# Altium PCB GateDriver_board_pcb.PcbDoc (part 1 of 3)
Units mm, origin at the board's own origin, x right, y up, seen from the top; angles counter-clockwise.
Board outline 138.05 x 67.4 mm, 2 copper layers (Top Layer, Bottom Layer), stack 1.671 mm thick; 340 components, 140 nets, 740 pads, 323 vias.
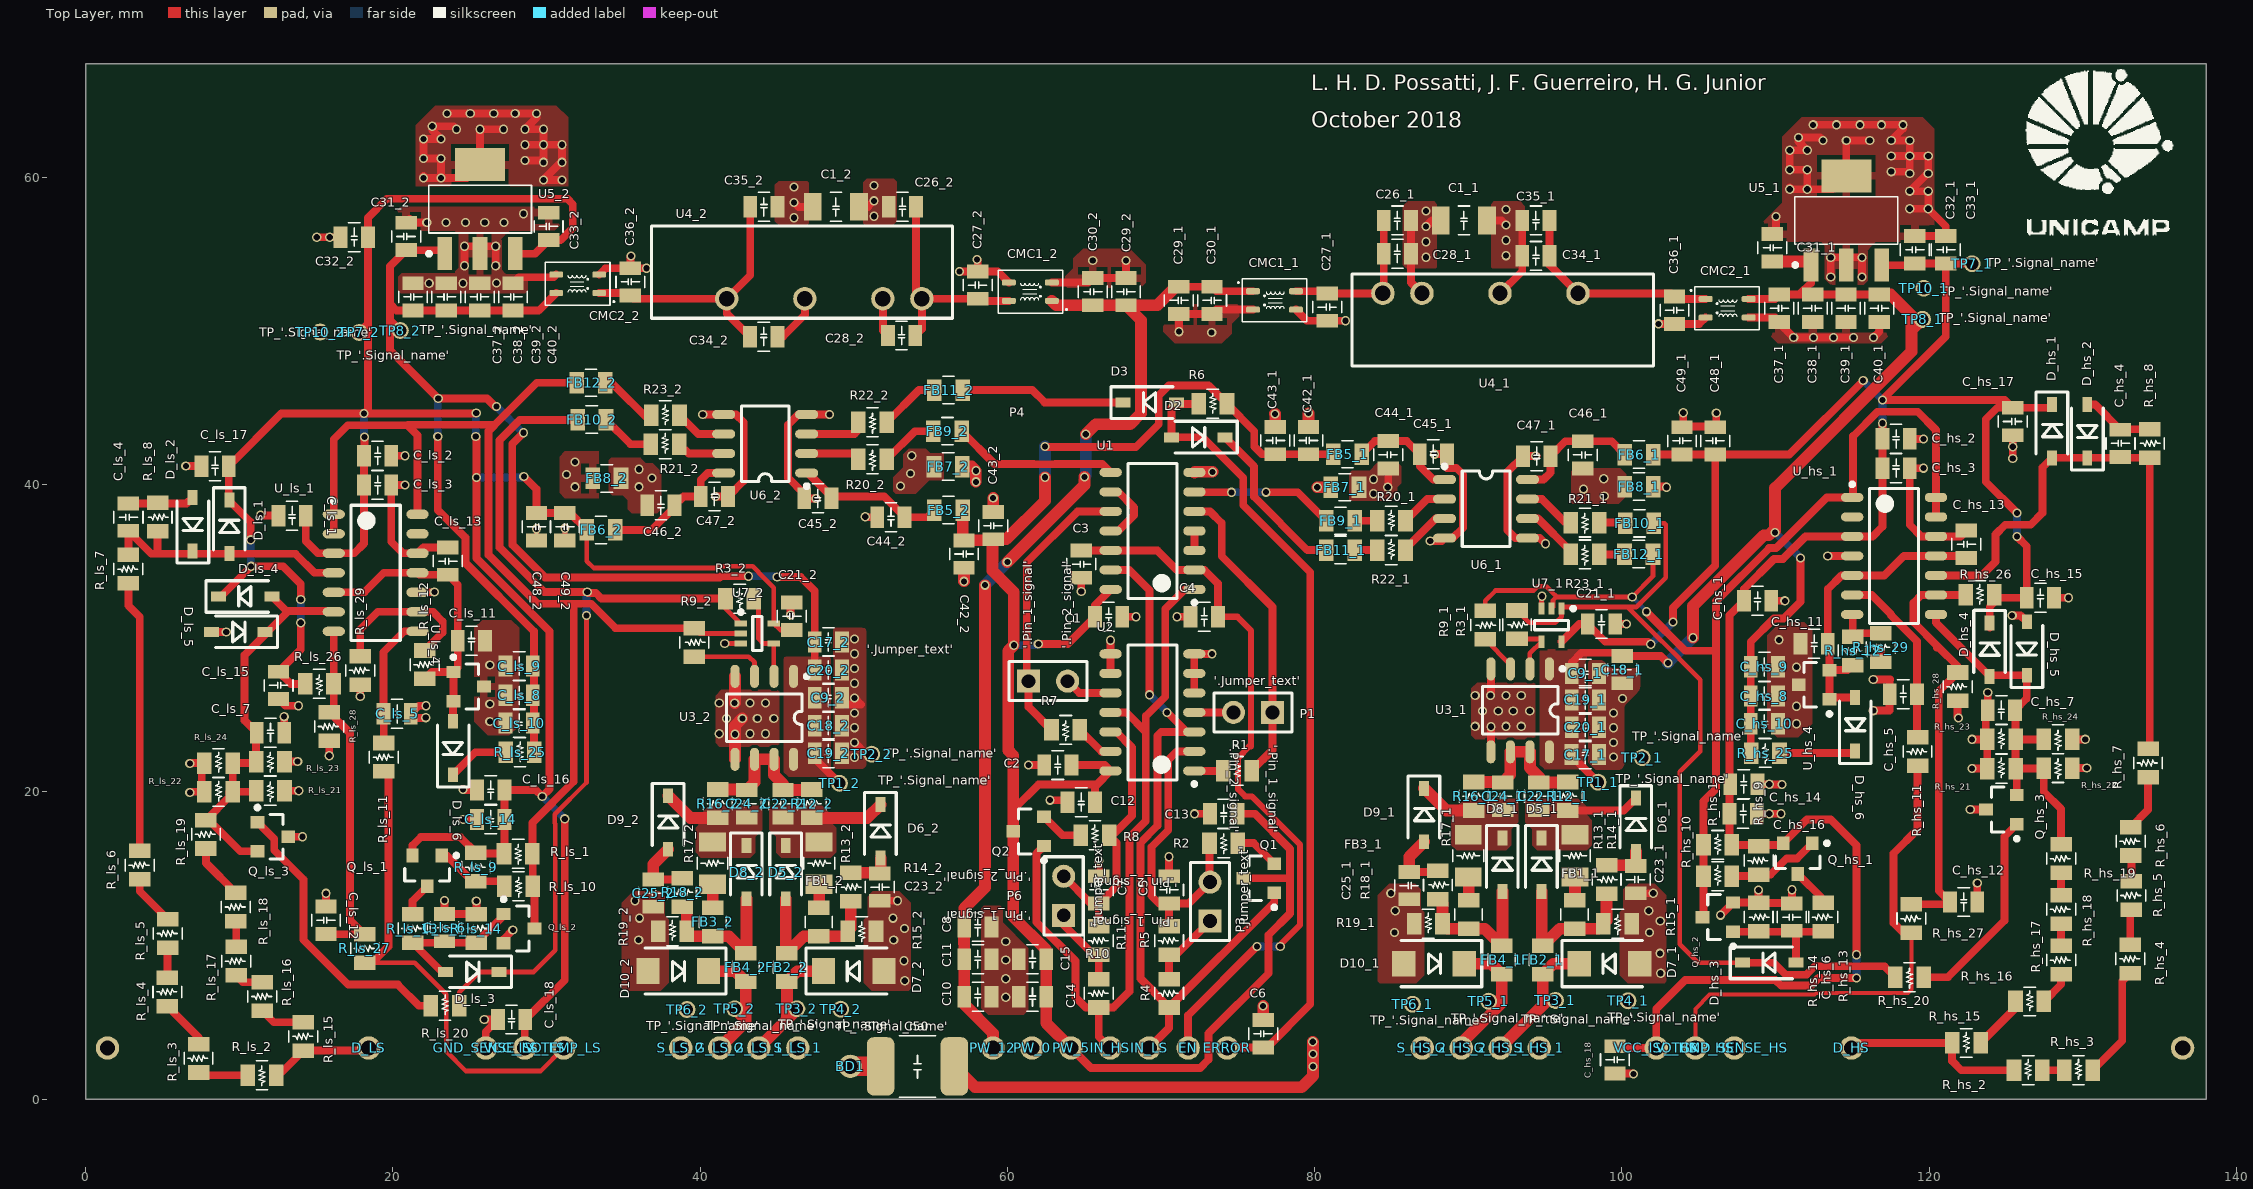
[diagram p0: Top Layer view]
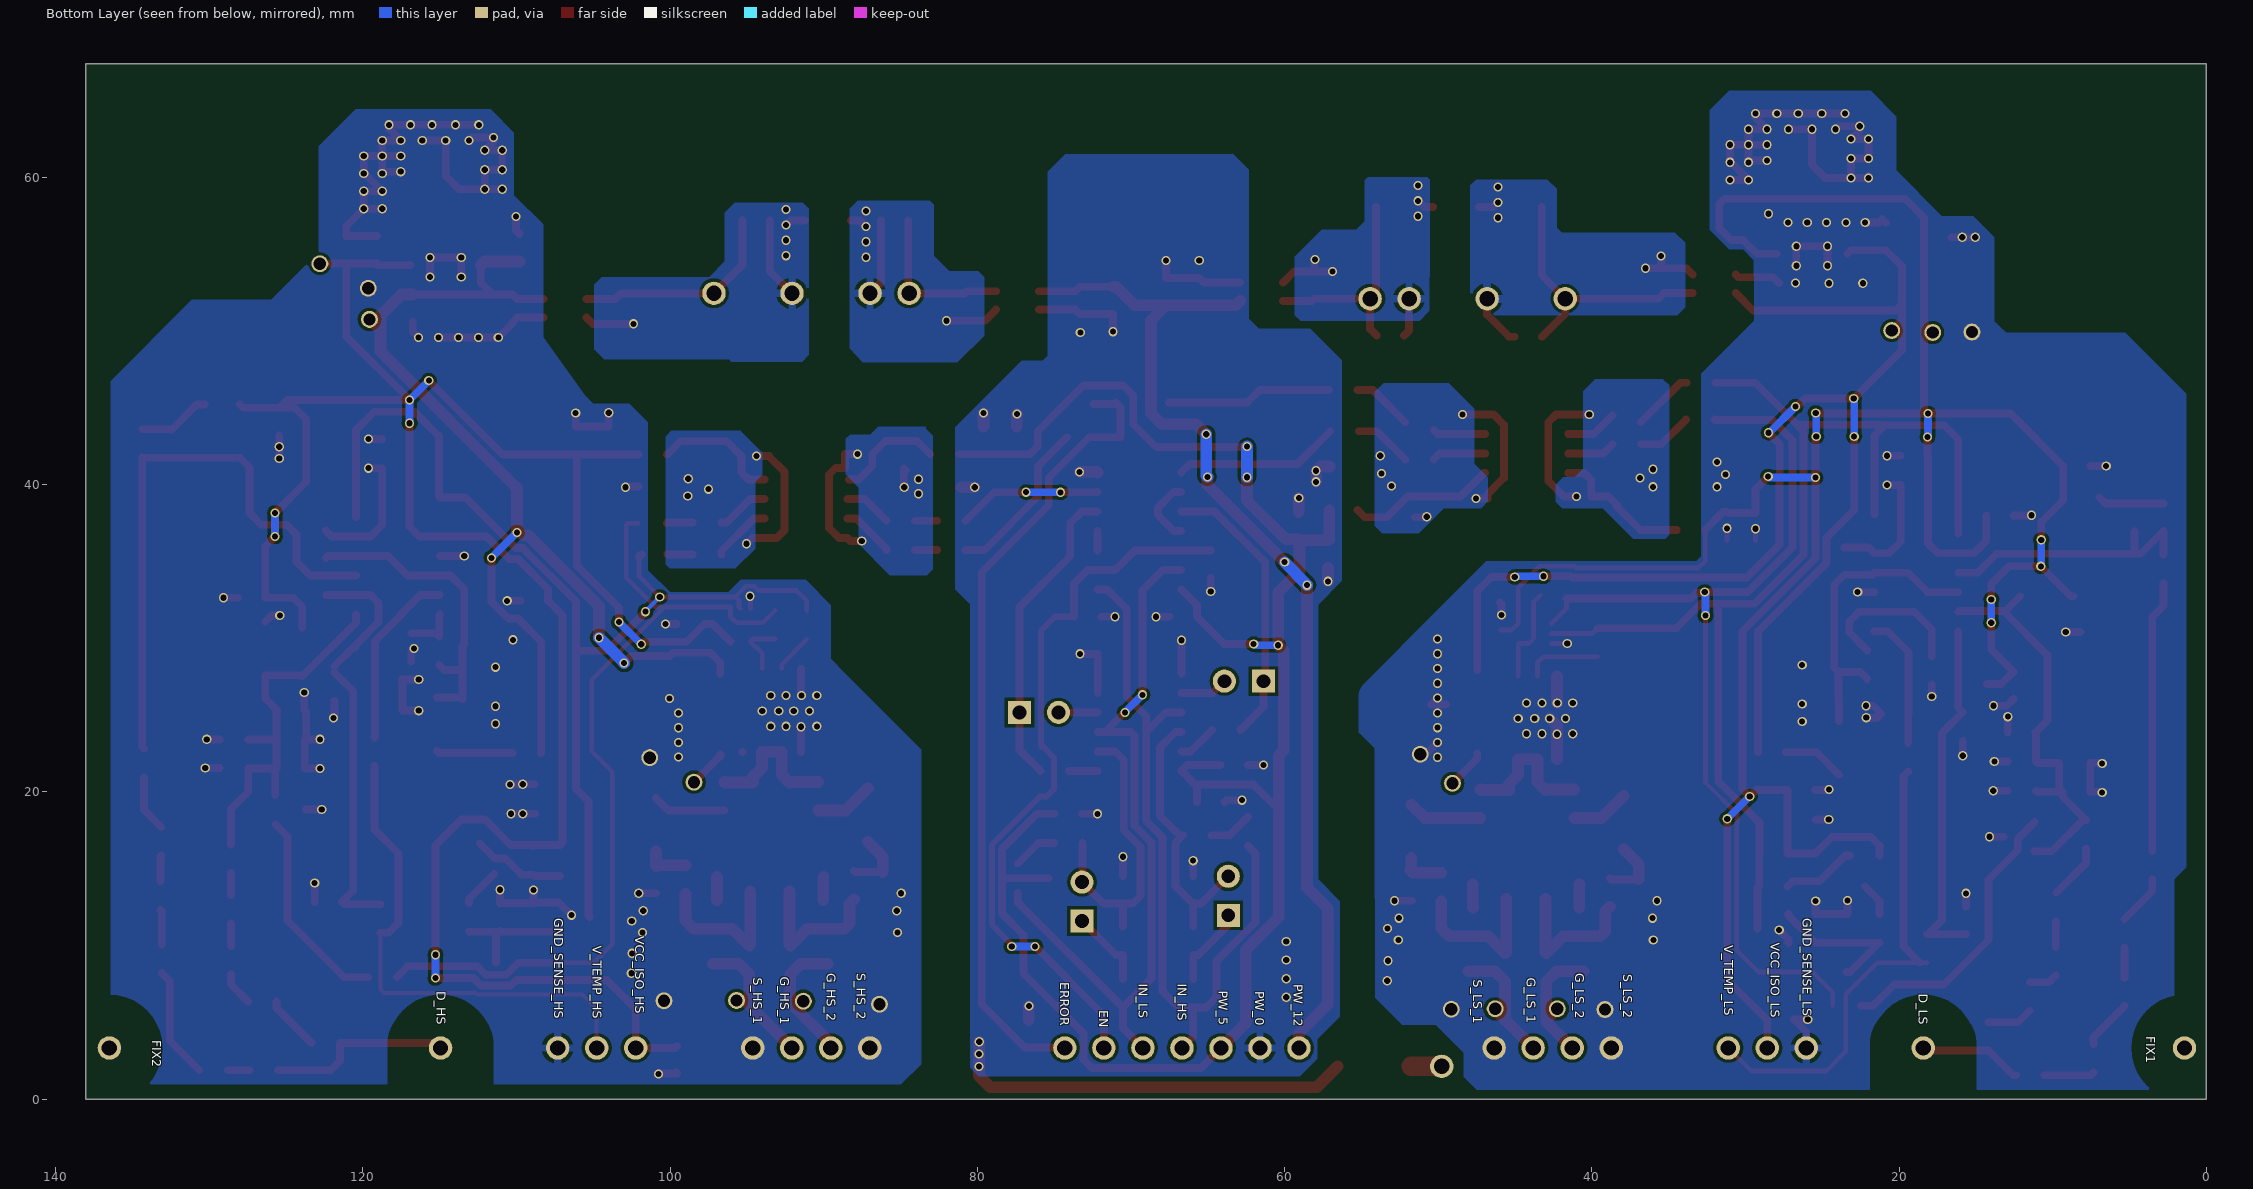
[diagram p1: Bottom Layer view, seen from below]
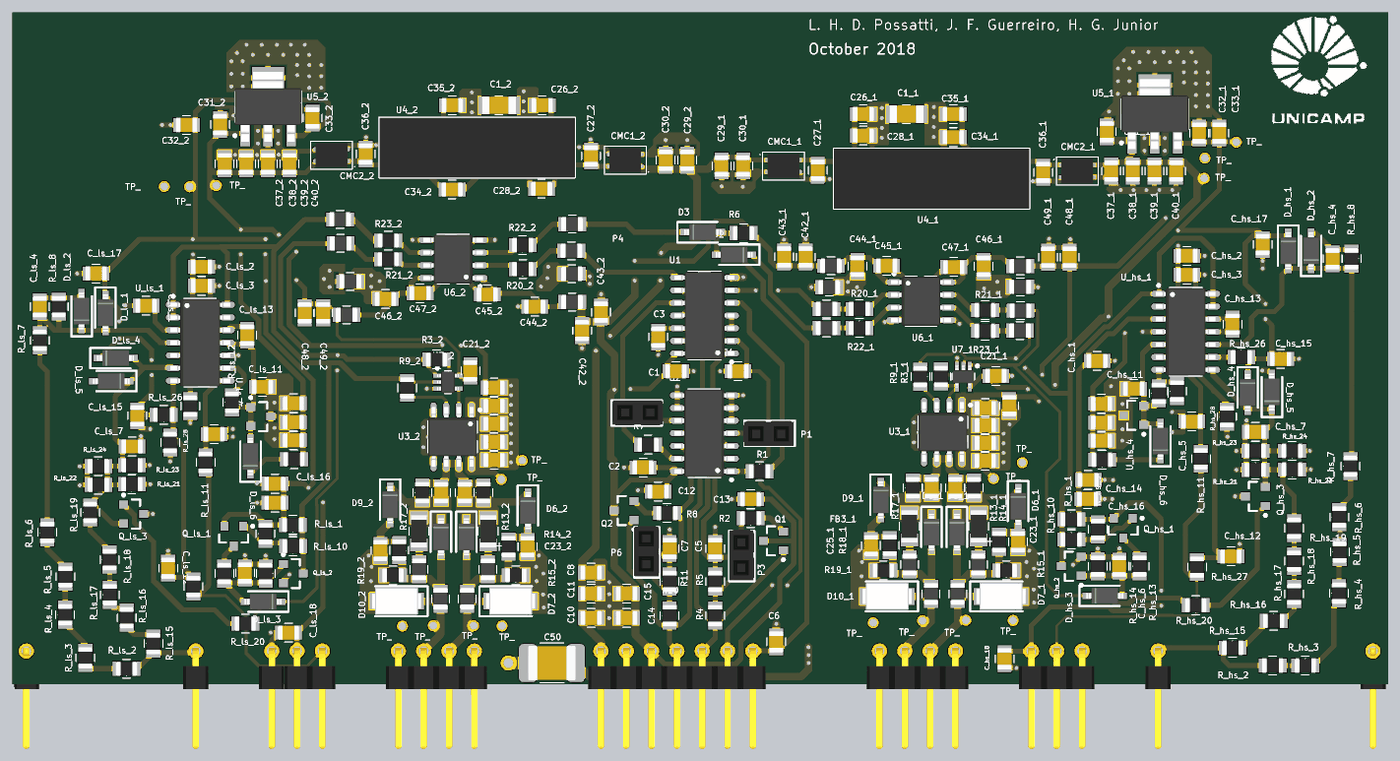
[diagram p4: 3D render of the assembled board from above, using the file's embedded part models]

## Layer stack, top to bottom
Top Solder: solder mask 0.0102, Solder Resist, Dk 3.5
Top Layer: signal copper 0.0356
Dielectric 1: dielectric 1.6, FR-4, Dk 4.8
Bottom Layer: signal copper 0.0356
Bottom Solder: solder mask 0.0102, Solder Resist, Dk 3.5

## Board outline
0,0 0,67.4 138.05,67.4 138.05,0

## Design rules (kind name [scope] priority, off if disabled: settings)
Clearance HV_hs_drain [InNet('Drain_hs') vs NOT ((Net = 'Drain_hs_2.1') OR (Net = 'Drain_hs_1.1'))] p1: gap=2.7 ignorepadtopadclearanceinfootprint=TRUE except(0.254: Arc-Text Track-Text SMDPad-Text THPad-Text Via-Text Fill-Text Poly-Text Region-Text Text-Text Text-Hole; 2.3: Arc-Arc Arc-Track Arc-Fill Arc-Poly Arc-Region Track-Track Track-Fill Track-Poly Track-Region Fill-Fill Fill-Poly Fill-Region Poly-Poly Poly-Region Region-Region; 3: SMDPad-SMDPad SMDPad-THPad SMDPad-Via SMDPad-Hole THPad-THPad THPad-Via THPad-Hole Via-Via Via-Hole)
Clearance HV_ls_drain [InNet('Drain_ls') vs NOT ((Net = 'Drain_ls_2.1') OR (Net = 'Drain_ls_1.1'))] p2: gap=2.7 ignorepadtopadclearanceinfootprint=TRUE except(0.254: Arc-Text Track-Text SMDPad-Text THPad-Text Via-Text Fill-Text Poly-Text Region-Text Text-Text Text-Hole; 2.3: Arc-Arc Arc-Track Arc-Fill Arc-Poly Arc-Region Track-Track Track-Fill Track-Poly Track-Region Fill-Fill Fill-Poly Fill-Region Poly-Poly Poly-Region Region-Region; 3: SMDPad-SMDPad SMDPad-THPad SMDPad-Via SMDPad-Hole THPad-THPad THPad-Via THPad-Hole Via-Via Via-Hole)
Clearance HV_1_hs_drain_1 [InNet('Drain_hs_1.1') vs NOT ((Net = 'Drain_hs_1.2') OR (Net = 'Drain_hs'))] p3: gap=2.7 ignorepadtopadclearanceinfootprint=TRUE except(0.254: Arc-Text Track-Text SMDPad-Text THPad-Text Via-Text Fill-Text Poly-Text Region-Text Text-Text Text-Hole; 2.3: Arc-Arc Arc-Track Arc-Fill Arc-Poly Arc-Region Track-Track Track-Fill Track-Poly Track-Region Fill-Fill Fill-Poly Fill-Region Poly-Poly Poly-Region Region-Region; 3: SMDPad-SMDPad SMDPad-THPad SMDPad-Via SMDPad-Hole THPad-THPad THPad-Via THPad-Hole Via-Via Via-Hole)
Clearance HV_1_ls_drain_1 [InNet('Drain_ls_1.1') vs NOT ((Net = 'Drain_ls_1.2') OR (Net = 'Drain_ls'))] p4: gap=2.7 ignorepadtopadclearanceinfootprint=TRUE except(0.254: Arc-Text Track-Text SMDPad-Text THPad-Text Via-Text Fill-Text Poly-Text Region-Text Text-Text Text-Hole; 2.3: Arc-Arc Arc-Track Arc-Fill Arc-Poly Arc-Region Track-Track Track-Fill Track-Poly Track-Region Fill-Fill Fill-Poly Fill-Region Poly-Poly Poly-Region Region-Region; 3: SMDPad-SMDPad SMDPad-THPad SMDPad-Via SMDPad-Hole THPad-THPad THPad-Via THPad-Hole Via-Via Via-Hole)
Clearance HV_1_hs_drain_2 [InNet('Drain_hs_1.2') vs NOT ((Net = 'Drain_hs_1.3') OR (Net = 'Drain_hs_1.1'))] p5: gap=2.7 ignorepadtopadclearanceinfootprint=TRUE except(0.254: Arc-Text Track-Text SMDPad-Text THPad-Text Via-Text Fill-Text Poly-Text Region-Text Text-Text Text-Hole; 2.3: Arc-Arc Arc-Track Arc-Fill Arc-Poly Arc-Region Track-Track Track-Fill Track-Poly Track-Region Fill-Fill Fill-Poly Fill-Region Poly-Poly Poly-Region Region-Region; 3: SMDPad-SMDPad SMDPad-THPad SMDPad-Via SMDPad-Hole THPad-THPad THPad-Via THPad-Hole Via-Via Via-Hole)
Clearance HV_1_ls_drain_2 [InNet('Drain_ls_1.2') vs NOT ((Net = 'Drain_ls_1.3') OR (Net = 'Drain_ls_1.1'))] p6: gap=2.7 ignorepadtopadclearanceinfootprint=TRUE except(0.254: Arc-Text Track-Text SMDPad-Text THPad-Text Via-Text Fill-Text Poly-Text Region-Text Text-Text Text-Hole; 2.3: Arc-Arc Arc-Track Arc-Fill Arc-Poly Arc-Region Track-Track Track-Fill Track-Poly Track-Region Fill-Fill Fill-Poly Fill-Region Poly-Poly Poly-Region Region-Region; 3: SMDPad-SMDPad SMDPad-THPad SMDPad-Via SMDPad-Hole THPad-THPad THPad-Via THPad-Hole Via-Via Via-Hole)
Clearance HV_1_hs_drain_3 [InNet('Drain_hs_1.3') vs NOT ((Net = 'Drain_hs_1.4') OR (Net = 'Drain_hs_1.2'))] p7: gap=2.7 ignorepadtopadclearanceinfootprint=TRUE except(0.254: Arc-Text Track-Text SMDPad-Text THPad-Text Via-Text Fill-Text Poly-Text Region-Text Text-Text Text-Hole; 2.3: Arc-Arc Arc-Track Arc-Fill Arc-Poly Arc-Region Track-Track Track-Fill Track-Poly Track-Region Fill-Fill Fill-Poly Fill-Region Poly-Poly Poly-Region Region-Region; 3: SMDPad-SMDPad SMDPad-THPad SMDPad-Via SMDPad-Hole THPad-THPad THPad-Via THPad-Hole Via-Via Via-Hole)
Clearance HV_1_ls_drain_3 [InNet('Drain_ls_1.3') vs NOT ((Net = 'Drain_ls_1.4') OR (Net = 'Drain_ls_1.2'))] p8: gap=2.7 ignorepadtopadclearanceinfootprint=TRUE except(0.254: Arc-Text Track-Text SMDPad-Text THPad-Text Via-Text Fill-Text Poly-Text Region-Text Text-Text Text-Hole; 2.3: Arc-Arc Arc-Track Arc-Fill Arc-Poly Arc-Region Track-Track Track-Fill Track-Poly Track-Region Fill-Fill Fill-Poly Fill-Region Poly-Poly Poly-Region Region-Region; 3: SMDPad-SMDPad SMDPad-THPad SMDPad-Via SMDPad-Hole THPad-THPad THPad-Via THPad-Hole Via-Via Via-Hole)
Clearance HV_1_hs_drain_4 [InNet('Drain_hs_1.4') vs NOT ((Net = 'Drain_hs_1.5') OR (Net = 'Drain_hs_1.3'))] p9: gap=2.7 ignorepadtopadclearanceinfootprint=TRUE except(0.254: Arc-Text Track-Text SMDPad-Text THPad-Text Via-Text Fill-Text Poly-Text Region-Text Text-Text Text-Hole; 2.3: Arc-Arc Arc-Track Arc-Fill Arc-Poly Arc-Region Track-Track Track-Fill Track-Poly Track-Region Fill-Fill Fill-Poly Fill-Region Poly-Poly Poly-Region Region-Region; 3: SMDPad-SMDPad SMDPad-THPad SMDPad-Via SMDPad-Hole THPad-THPad THPad-Via THPad-Hole Via-Via Via-Hole)
Clearance HV_1_ls_drain_4 [InNet('Drain_ls_1.4') vs NOT ((Net = 'Drain_ls_1.5') OR (Net = 'Drain_ls_1.3'))] p10: gap=2.7 ignorepadtopadclearanceinfootprint=TRUE except(0.254: Arc-Text Track-Text SMDPad-Text THPad-Text Via-Text Fill-Text Poly-Text Region-Text Text-Text Text-Hole; 2.3: Arc-Arc Arc-Track Arc-Fill Arc-Poly Arc-Region Track-Track Track-Fill Track-Poly Track-Region Fill-Fill Fill-Poly Fill-Region Poly-Poly Poly-Region Region-Region; 3: SMDPad-SMDPad SMDPad-THPad SMDPad-Via SMDPad-Hole THPad-THPad THPad-Via THPad-Hole Via-Via Via-Hole)
Clearance HV_2_hs_drain_1 [InNet('Drain_hs_2.1') vs NOT ((Net = 'Drain_hs_2.2') OR (Net = 'Drain_hs'))] p11: gap=2.7 ignorepadtopadclearanceinfootprint=TRUE except(0.254: Arc-Text Track-Text SMDPad-Text THPad-Text Via-Text Fill-Text Poly-Text Region-Text Text-Text Text-Hole; 2.3: Arc-Arc Arc-Track Arc-Fill Arc-Poly Arc-Region Track-Track Track-Fill Track-Poly Track-Region Fill-Fill Fill-Poly Fill-Region Poly-Poly Poly-Region Region-Region; 3: SMDPad-SMDPad SMDPad-THPad SMDPad-Via SMDPad-Hole THPad-THPad THPad-Via THPad-Hole Via-Via Via-Hole)
Clearance HV_2_ls_drain_1 [InNet('Drain_ls_2.1') vs NOT ((Net = 'Drain_ls_2.2') OR (Net = 'Drain_ls'))] p12: gap=2.7 ignorepadtopadclearanceinfootprint=TRUE except(0.254: Arc-Text Track-Text SMDPad-Text THPad-Text Via-Text Fill-Text Poly-Text Region-Text Text-Text Text-Hole; 2.3: Arc-Arc Arc-Track Arc-Fill Arc-Poly Arc-Region Track-Track Track-Fill Track-Poly Track-Region Fill-Fill Fill-Poly Fill-Region Poly-Poly Poly-Region Region-Region; 3: SMDPad-SMDPad SMDPad-THPad SMDPad-Via SMDPad-Hole THPad-THPad THPad-Via THPad-Hole Via-Via Via-Hole)
Clearance HV_2_hs_drain_2 [InNet('Drain_hs_2.2') vs NOT ((Net = 'Drain_hs_2.3') OR (Net = 'Drain_hs_2.1'))] p13: gap=2.7 ignorepadtopadclearanceinfootprint=TRUE except(0.254: Arc-Text Track-Text SMDPad-Text THPad-Text Via-Text Fill-Text Poly-Text Region-Text Text-Text Text-Hole; 2.3: Arc-Arc Arc-Track Arc-Fill Arc-Poly Arc-Region Track-Track Track-Fill Track-Poly Track-Region Fill-Fill Fill-Poly Fill-Region Poly-Poly Poly-Region Region-Region; 3: SMDPad-SMDPad SMDPad-THPad SMDPad-Via SMDPad-Hole THPad-THPad THPad-Via THPad-Hole Via-Via Via-Hole)
Clearance HV_2_ls_drain_2 [InNet('Drain_ls_2.2') vs NOT ((Net = 'Drain_ls_2.3') OR (Net = 'Drain_ls_2.1'))] p14: gap=2.7 ignorepadtopadclearanceinfootprint=TRUE except(0.254: Arc-Text Track-Text SMDPad-Text THPad-Text Via-Text Fill-Text Poly-Text Region-Text Text-Text Text-Hole; 2.3: Arc-Arc Arc-Track Arc-Fill Arc-Poly Arc-Region Track-Track Track-Fill Track-Poly Track-Region Fill-Fill Fill-Poly Fill-Region Poly-Poly Poly-Region Region-Region; 3: SMDPad-SMDPad SMDPad-THPad SMDPad-Via SMDPad-Hole THPad-THPad THPad-Via THPad-Hole Via-Via Via-Hole)
Clearance HV_2_hs_drain_3 [InNet('Drain_hs_2.3') vs NOT ((Net = 'Drain_hs_2.4') OR (Net = 'Drain_hs_2.2'))] p15: gap=2.7 ignorepadtopadclearanceinfootprint=TRUE except(0.254: Arc-Text Track-Text SMDPad-Text THPad-Text Via-Text Fill-Text Poly-Text Region-Text Text-Text Text-Hole; 2.3: Arc-Arc Arc-Track Arc-Fill Arc-Poly Arc-Region Track-Track Track-Fill Track-Poly Track-Region Fill-Fill Fill-Poly Fill-Region Poly-Poly Poly-Region Region-Region; 3: SMDPad-SMDPad SMDPad-THPad SMDPad-Via SMDPad-Hole THPad-THPad THPad-Via THPad-Hole Via-Via Via-Hole)
Clearance HV_2_ls_drain_3 [InNet('Drain_ls_2.3') vs NOT ((Net = 'Drain_ls_2.4') OR (Net = 'Drain_ls_2.2'))] p16: gap=2.7 ignorepadtopadclearanceinfootprint=TRUE except(0.254: Arc-Text Track-Text SMDPad-Text THPad-Text Via-Text Fill-Text Poly-Text Region-Text Text-Text Text-Hole; 2.3: Arc-Arc Arc-Track Arc-Fill Arc-Poly Arc-Region Track-Track Track-Fill Track-Poly Track-Region Fill-Fill Fill-Poly Fill-Region Poly-Poly Poly-Region Region-Region; 3: SMDPad-SMDPad SMDPad-THPad SMDPad-Via SMDPad-Hole THPad-THPad THPad-Via THPad-Hole Via-Via Via-Hole)
Clearance Isolated_domains [InNetClass('Isolated_domain') vs InNetClass('Non_isolated_domain')] p17: gap=2.7 ignorepadtopadclearanceinfootprint=FALSE except(0.254: Arc-Text Track-Text SMDPad-Text THPad-Text Via-Text Fill-Text Poly-Text Region-Text Text-Text Text-Hole; 2.3: Arc-Arc Arc-Track Arc-Fill Arc-Poly Arc-Region Track-Track Track-Fill Track-Poly Track-Region Fill-Fill Fill-Poly Fill-Region Poly-Poly Poly-Region Region-Region; 3: SMDPad-SMDPad SMDPad-THPad SMDPad-Via SMDPad-Hole THPad-THPad THPad-Via THPad-Hole Via-Via Via-Hole)
Clearance FIXING_PINS [(ObjectKind = 'Pad') And ((Component = 'FIX1') OR (Component = 'FIX2'))] p18: gap=2.7 ignorepadtopadclearanceinfootprint=FALSE except(0.254: Arc-Text Track-Text SMDPad-Text THPad-Text Via-Text Fill-Text Poly-Text Region-Text Text-Text Text-Hole; 2.3: Arc-Arc Arc-Track Arc-Fill Arc-Poly Arc-Region Track-Track Track-Fill Track-Poly Track-Region Fill-Fill Fill-Poly Fill-Region Poly-Poly Poly-Region Region-Region; 3: SMDPad-SMDPad SMDPad-THPad SMDPad-Via SMDPad-Hole THPad-THPad THPad-Via THPad-Hole Via-Via Via-Hole)
Clearance [All] p19: gap=0.203 ignorepadtopadclearanceinfootprint=FALSE except(0: Arc-Hole Track-Hole SMDPad-Hole THPad-Hole Via-Hole Fill-Hole Poly-Hole Region-Hole Text-Hole)
ComponentClearance IOS_interface [HasFootprint('SINGLE PAD - RIGHT ANGLE') vs HasFootprint('SINGLE PAD - RIGHT ANGLE')] p1: gap=0 collisioncheckmode=3 verticalgap=0 showdistances=FALSE
ComponentClearance [All] p2: gap=0.254 collisioncheckmode=3 verticalgap=0.254 showdistances=FALSE
MinimumSolderMaskSliver [All] p1: minsoldermaskwidth=0.203
PolygonConnect Direct_connect [InComponentClass('Direct_plane_connect') vs InPolygonClass('Direct_planne_connect')] p1: connectstyle=Direct reliefconductorwidth=0.254 reliefentries=4 polygonreliefangle="90 Angle" airgapwidth=0.254
PolygonConnect [All] p2: thpad.connectstyle=Relief thpad.reliefconductorwidth=0.508 thpad.reliefentries=4 thpad.polygonreliefangle="90 Angle" thpad.airgapwidth=0.254 smdpad.connectstyle=Relief smdpad.reliefconductorwidth=0.508 smdpad.reliefentries=4 smdpad.polygonreliefangle="90 Angle" smdpad.airgapwidth=0.254 via.connectstyle=Direct via.reliefconductorwidth=0.254 via.reliefentries=4 via.polygonreliefangle="90 Angle" via.airgapwidth=0.254
RoutingVias [All] p1: holewidth=0.4 width=0.6 viastyle="Through Hole" minholewidth=0.3 minwidth=0.4 maxholewidth=1 maxwidth=3
SolderMaskExpansion [All] p1: expansion=0.102
UnRoutedNet [All] p1: checkbadconnections=TRUE
Width [All] p1: maxlimit=1.27 minlimit=0.254 preferedwidth=0.508 minimp=50.000000 maximp=50.000000 favimp=50.000000
27 further rules are at their usual default settings.

## Classes and differential pairs
net class Interface_connectors: 5V_1 5V_2 +5V +12V Drain_hs Drain_ls enable ERR G1_1 G1_2 G2_1 G2_2 GND GND_iso_hs GND_iso_ls HS_input LS_input V_temp_hs V_temp_ls
channel class Protection_comparator: comparator_hs comparator_ls
channel class Protection_voltage_ref: voltage_ref_circuitry_hs voltage_ref_circuitry_ls
channel class Protection_memory_latch: memory_latch_hs memory_latch_ls
channel class Protection_overtemperature: overtemperature_circuitry_hs overtemperature_circuitry_ls
channel class Protection_overcurrent: overcurrent_circuitry_hs overcurrent_circuitry_ls
channel class Protection_overvoltage: overvoltage_circuitry_hs overvoltage_circuitry_ls
pad class drain_chain_pads: R_hs_2-1 R_hs_2-2 R_hs_3-1 R_hs_3-2 R_hs_4-1 R_hs_4-2 R_hs_5-1 R_hs_5-2 R_hs_6-1 R_hs_6-2 R_hs_7-1 R_hs_7-2 R_hs_15-1 R_hs_15-2 R_hs_16-1 R_hs_16-2 R_hs_17-1 R_hs_17-2 R_hs_18-1
component class overvoltage_circuitry_hs: C_hs_4 C_hs_17 D_hs_1 D_hs_2 R_hs_2 R_hs_3 R_hs_4 R_hs_5 R_hs_6 R_hs_7 R_hs_8
component class overtemperature_circuitry_hs: C_hs_5 R_hs_11
component class overcurrent_circuitry_hs: C_hs_7 C_hs_12 C_hs_15 D_hs_4 D_hs_5 Q_hs_3 R_hs_15 R_hs_16 R_hs_17 R_hs_18 R_hs_19 R_hs_20 R_hs_21 R_hs_22 R_hs_23 R_hs_24 R_hs_26 R_hs_27 R_hs_28
component class memory_latch_hs: C_hs_6 C_hs_14 C_hs_16 D_hs_3 Q_hs_1 Q_hs_2 R_hs_1 R_hs_9 R_hs_10 R_hs_13 R_hs_14
polygon class Direct_planne_connect: Gate_circuit_multicomponent_node Gate_circuit_multicomponent_node2 Gate_circuit_source_tie GND_gate_driver_IC_top_plane2 GND_interface_connection_plane GND_iso_hs_main_plane GND_iso_ls_main_plane GND_iso_signal_isolator_top_direct_connect GND_signal_isolator_top_direct_connect GND_Vref_comparator ISO_power_GND_plane_LDO_LS_top_direct_connect Power_supply_interdomain_cap_1_1 Power_supply_interdomain_cap_1_2 Power_supply_interdomain_cap_2_1 Power_supply_interdomain_cap_2_2 VCC_gate_driver_IC_top_plane
net class Non_isolated_domain: +12V GND NetC1_1_1 NetC1_2_1 NetC26_1_1 NetC26_2_1
net class Isolated_domain: 5V_1 5V_2 12V_iso 12V_iso_1 GND_iso_hs GND_iso_ls NetC1_1_2 NetC1_2_2 NetC34_1_1 NetC34_2_1
channel class Signal_isolator: ISO_HS ISO_LS
channel class Isolated_power_supply: HS_power_supply LS_power_supply
channel class Gate_driver_circuit: GateDriver_HS GateDriver_LS
component class voltage_ref_circuitry_ls: C_ls_8 C_ls_9 C_ls_10 C_ls_11 D_ls_6 R_ls_25 U_ls_4
component class voltage_ref_circuitry_hs: C_hs_8 C_hs_9 C_hs_10 C_hs_11 D_hs_6 R_hs_25 U_hs_4
component class overvoltage_circuitry_ls: C_ls_4 C_ls_17 D_ls_1 D_ls_2 R_ls_2 R_ls_3 R_ls_4 R_ls_5 R_ls_6 R_ls_7 R_ls_8
component class overtemperature_circuitry_ls: C_ls_5 R_ls_11
component class overcurrent_circuitry_ls: C_ls_7 C_ls_12 C_ls_15 D_ls_4 D_ls_5 Q_ls_3 R_ls_15 R_ls_16 R_ls_17 R_ls_18 R_ls_19 R_ls_20 R_ls_21 R_ls_22 R_ls_23 R_ls_24 R_ls_26 R_ls_27 R_ls_28
component class memory_latch_ls: C_ls_6 C_ls_14 C_ls_16 D_ls_3 Q_ls_1 Q_ls_2 R_ls_1 R_ls_9 R_ls_10 R_ls_13 R_ls_14
component class MainBoard_IO: C8 C10 C11 C14 C15 D_HS D_LS EN ERROR FIX1 FIX2 G_HS_1 G_HS_2 G_LS_1 G_LS_2 GND_SENSE_HS GND_SENSE_LS IN_HS IN_LS PW_0 PW_5 PW_12 S_HS_1 S_HS_2 S_LS_1 S_LS_2 V_TEMP_HS V_TEMP_LS VCC_ISO_HS VCC_ISO_LS
component class LS_protection: C_ls_1 C_ls_2 C_ls_3 C_ls_4 C_ls_5 C_ls_6 C_ls_7 C_ls_8 C_ls_9 C_ls_10 C_ls_11 C_ls_12 C_ls_13 C_ls_14 C_ls_15 C_ls_16 C_ls_17 C_ls_18 D_ls_1 D_ls_2 D_ls_3 D_ls_4 D_ls_5 D_ls_6 Q_ls_1 Q_ls_2 Q_ls_3 R_ls_1 R_ls_2 R_ls_3 R_ls_4 R_ls_5 R_ls_6 R_ls_7 R_ls_8 R_ls_9 R_ls_10 R_ls_11 R_ls_12 R_ls_13 R_ls_14 R_ls_15 R_ls_16 R_ls_17 R_ls_18 R_ls_19 R_ls_20 R_ls_21 R_ls_22 R_ls_23 R_ls_24 R_ls_25 R_ls_26 R_ls_27 R_ls_28 R_ls_29 U_ls_1 U_ls_4
component class LS_power_supply: C1_2 C26_2 C27_2 C28_2 C29_2 C30_2 C31_2 C32_2 C33_2 C34_2 C35_2 C36_2 C37_2 C38_2 C39_2 C40_2 CMC1_2 CMC2_2 TP7_2 TP8_2 TP10_2 U4_2 U5_2
component class ISO_LS: C42_2 C43_2 C44_2 C45_2 C46_2 C47_2 C48_2 C49_2 FB5_2 FB6_2 FB7_2 FB8_2 FB9_2 FB10_2 FB11_2 FB12_2 R20_2 R21_2 R22_2 R23_2 U6_2
component class ISO_HS: C42_1 C43_1 C44_1 C45_1 C46_1 C47_1 C48_1 C49_1 FB5_1 FB6_1 FB7_1 FB8_1 FB9_1 FB10_1 FB11_1 FB12_1 R20_1 R21_1 R22_1 R23_1 U6_1
component class HS_protection: C_hs_1 C_hs_2 C_hs_3 C_hs_4 C_hs_5 C_hs_6 C_hs_7 C_hs_8 C_hs_9 C_hs_10 C_hs_11 C_hs_12 C_hs_13 C_hs_14 C_hs_15 C_hs_16 C_hs_17 C_hs_18 D_hs_1 D_hs_2 D_hs_3 D_hs_4 D_hs_5 D_hs_6 Q_hs_1 Q_hs_2 Q_hs_3 R_hs_1 R_hs_2 R_hs_3 R_hs_4 R_hs_5 R_hs_6 R_hs_7 R_hs_8 R_hs_9 R_hs_10 R_hs_11 R_hs_12 R_hs_13 R_hs_14 R_hs_15 R_hs_16 R_hs_17 R_hs_18 R_hs_19 R_hs_20 R_hs_21 R_hs_22 R_hs_23 R_hs_24 R_hs_25 R_hs_26 R_hs_27 R_hs_28 R_hs_29 U_hs_1 U_hs_4
component class HS_power_supply: C1_1 C26_1 C27_1 C28_1 C29_1 C30_1 C31_1 C32_1 C33_1 C34_1 C35_1 C36_1 C37_1 C38_1 C39_1 C40_1 CMC1_1 CMC2_1 TP7_1 TP8_1 TP10_1 U4_1 U5_1
component class GateDriver_LS: C9_2 C17_2 C18_2 C19_2 C20_2 C21_2 C22_2 C23_2 C24_2 C25_2 D5_2 D6_2 D7_2 D8_2 D9_2 D10_2 FB1_2 FB2_2 FB3_2 FB4_2 R3_2 R9_2 R12_2 R13_2 R14_2 R15_2 R16_2 R17_2 R18_2 R19_2 TP1_2 TP2_2 TP3_2 TP4_2 TP5_2 TP6_2 U3_2 U7_2
component class GateDriver_HS: C9_1 C17_1 C18_1 C19_1 C20_1 C21_1 C22_1 C23_1 C24_1 C25_1 D5_1 D6_1 D7_1 D8_1 D9_1 D10_1 FB1_1 FB2_1 FB3_1 FB4_1 R3_1 R9_1 R12_1 R13_1 R14_1 R15_1 R16_1 R17_1 R18_1 R19_1 TP1_1 TP2_1 TP3_1 TP4_1 TP5_1 TP6_1 U3_1 U7_1
component class Direct_plane_connect: C1_1 C1_2 C8 C9_1 C9_2 C10 C11 C14 C15 C17_1 C17_2 C18_1 C18_2 C19_1 C19_2 C20_1 C20_2 C22_1 C22_2 C23_1 C23_2 C24_1 C24_2 C25_1 C25_2 C26_1 C26_2 C28_1 C28_2 C34_1 C34_2 C35_1 C35_2 C37_1 C37_2 C38_1 C38_2 C39_1 C39_2 C40_1 C40_2 C44_1 C44_2 C46_1 C46_2 C_hs_8 C_hs_9 C_hs_10 C_hs_11 C_ls_8 C_ls_9 C_ls_10 C_ls_11 D5_1 D5_2 D7_1 D7_2 D8_1 D8_2 D10_1 D10_2 FB7_1 FB7_2 FB8_1 FB8_2 R12_1 R12_2 R13_1 R13_2 R14_1 R14_2 R15_1 R15_2 R16_1 R16_2 R17_1 R17_2 R19_1 R19_2 R_hs_25 S_HS_1 S_HS_2 S_LS_1 S_LS_2 TP1_1 TP1_2 TP2_1 TP2_2 TP3_1 TP3_2 TP4_1 TP4_2 TP5_1 TP5_2 TP6_1 TP6_2 TP10_1 TP10_2 U3_1 U3_2 U_hs_4